# KiCad board ciaa_acc.kicad_pcb
title: COMPUTADORA INDUSTRIAL ABIERTA ARGENTINA. CIAA-ACC (HPC); date: 2019-03-29; rev: V1.1F; company: Instituto Nacional de Tecnología Industrial - Centro de Micro y Nanoelectrónica; note: Authors: See 'doc/CHANGES.txt' file.      License: See 'doc/LICENCIA_CIAA_ACC.txt' file.
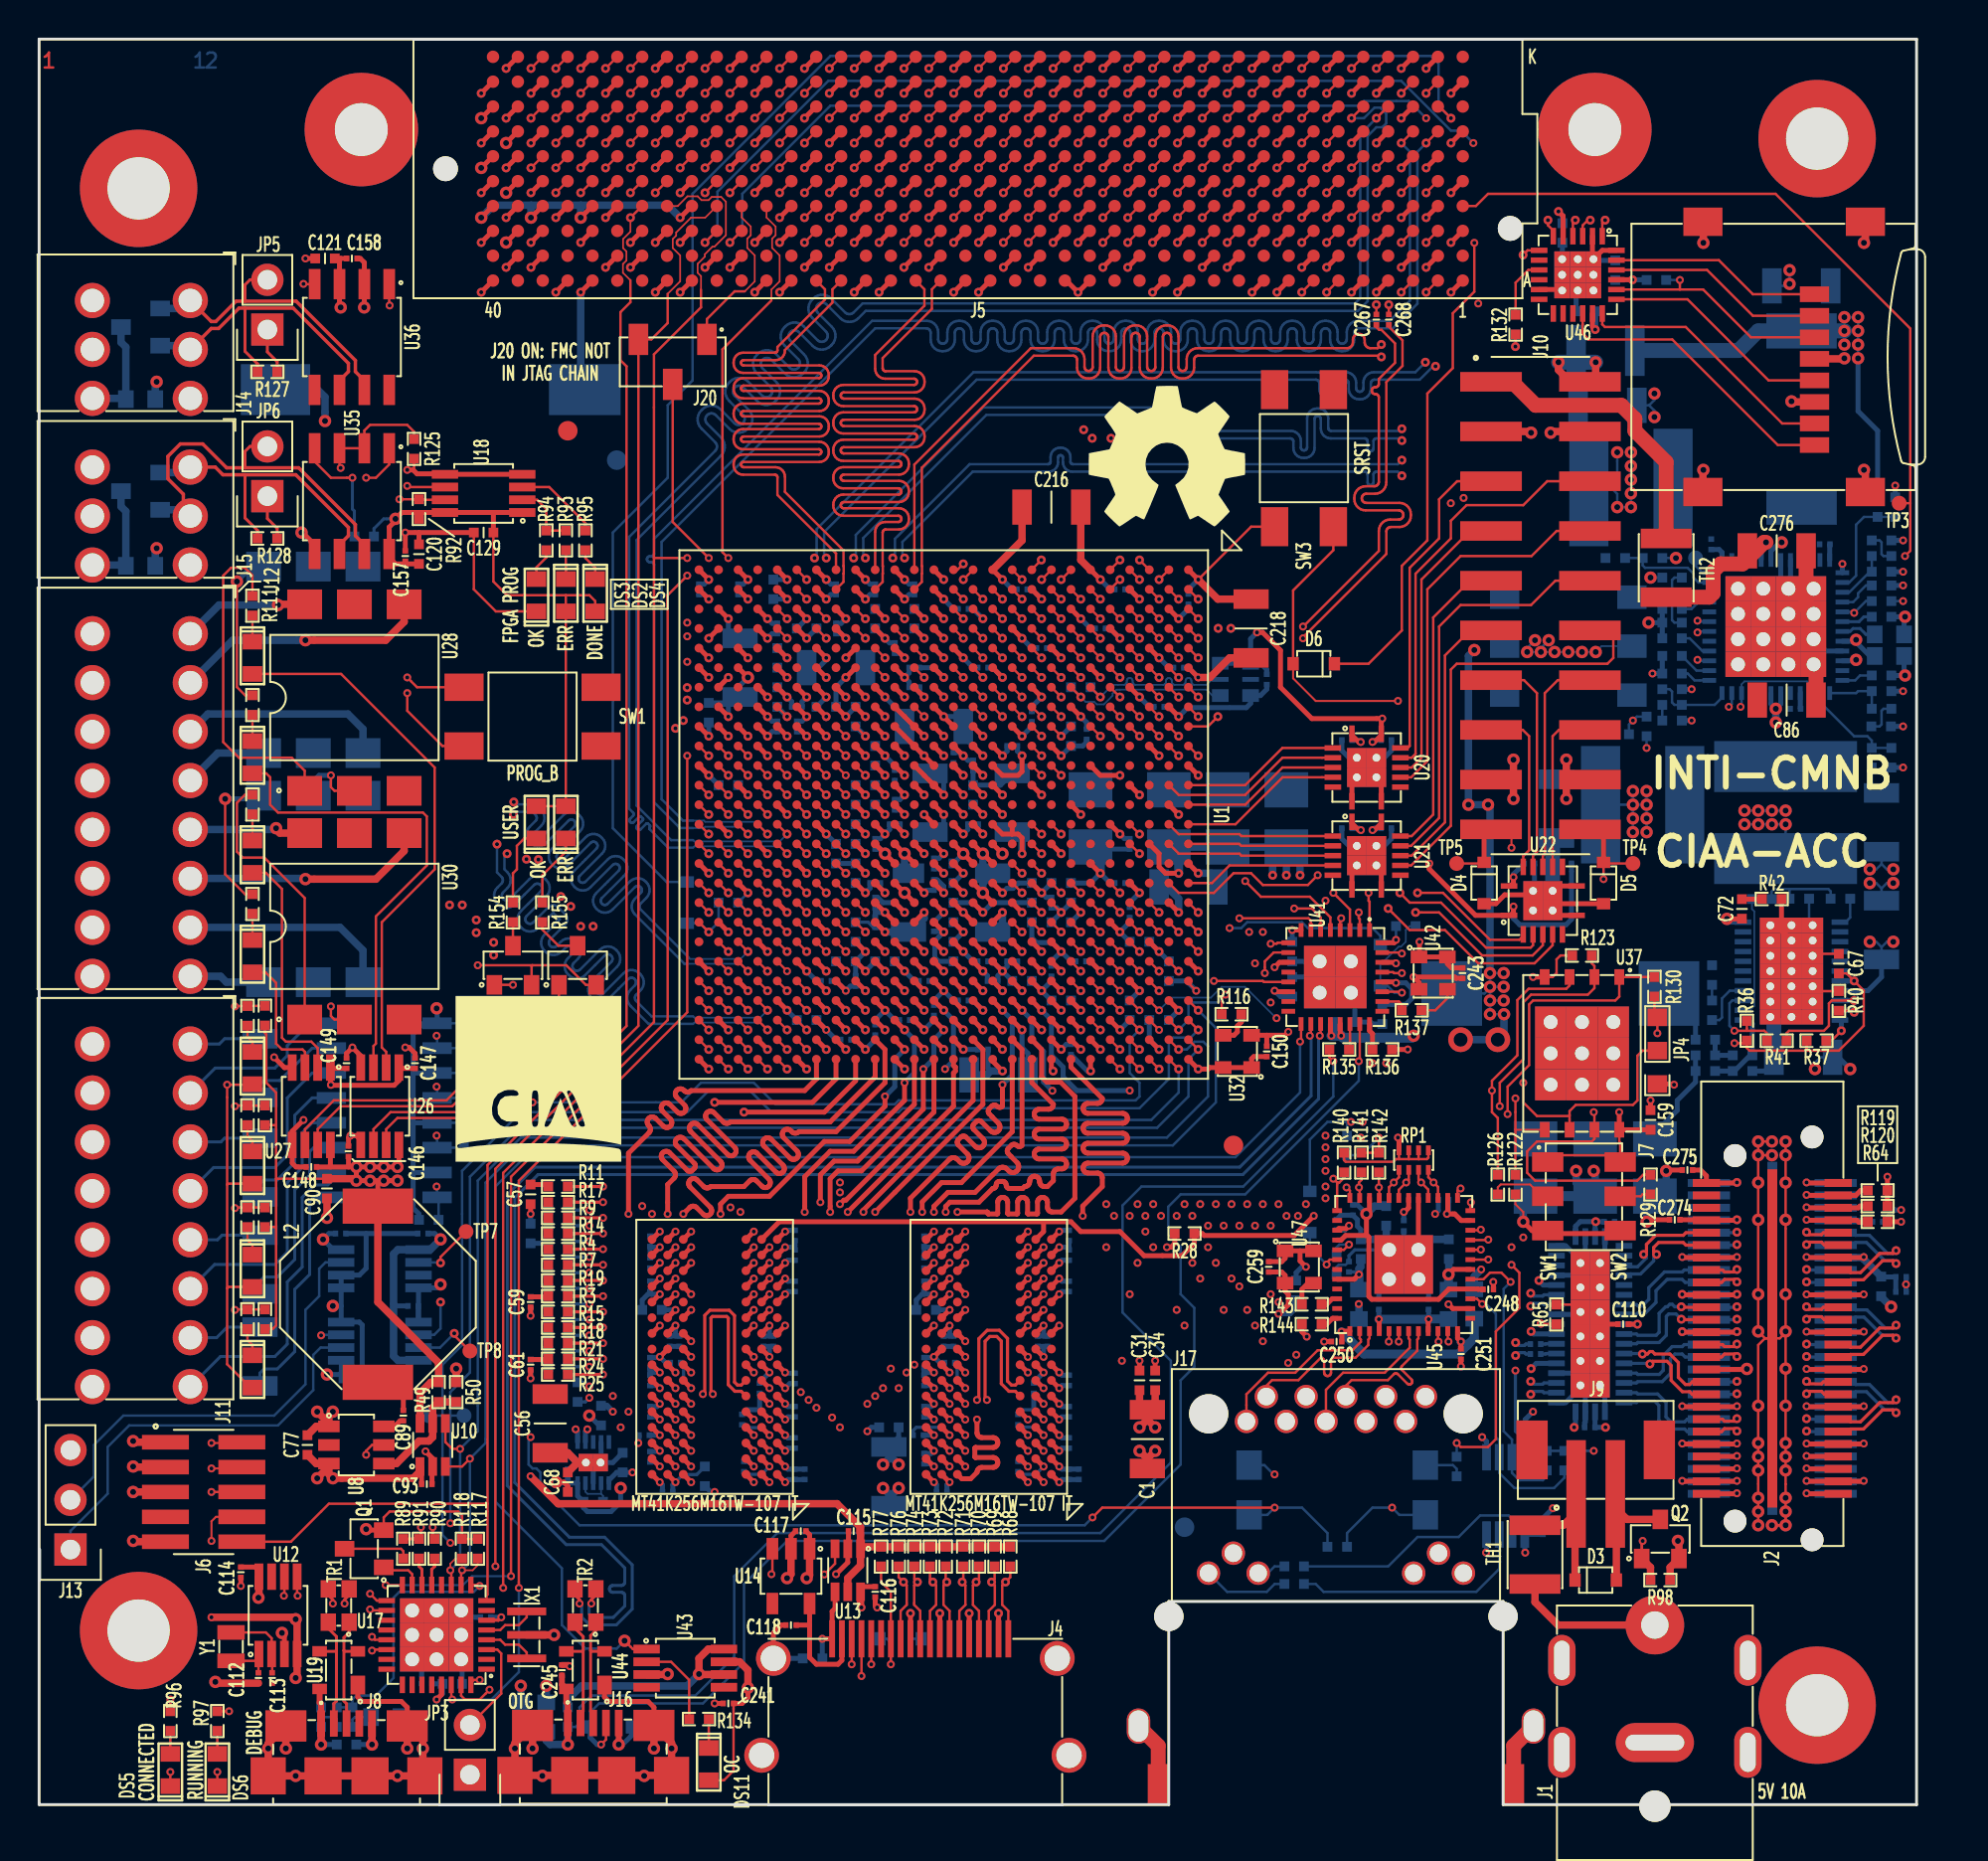
[diagram p0: board, top side]
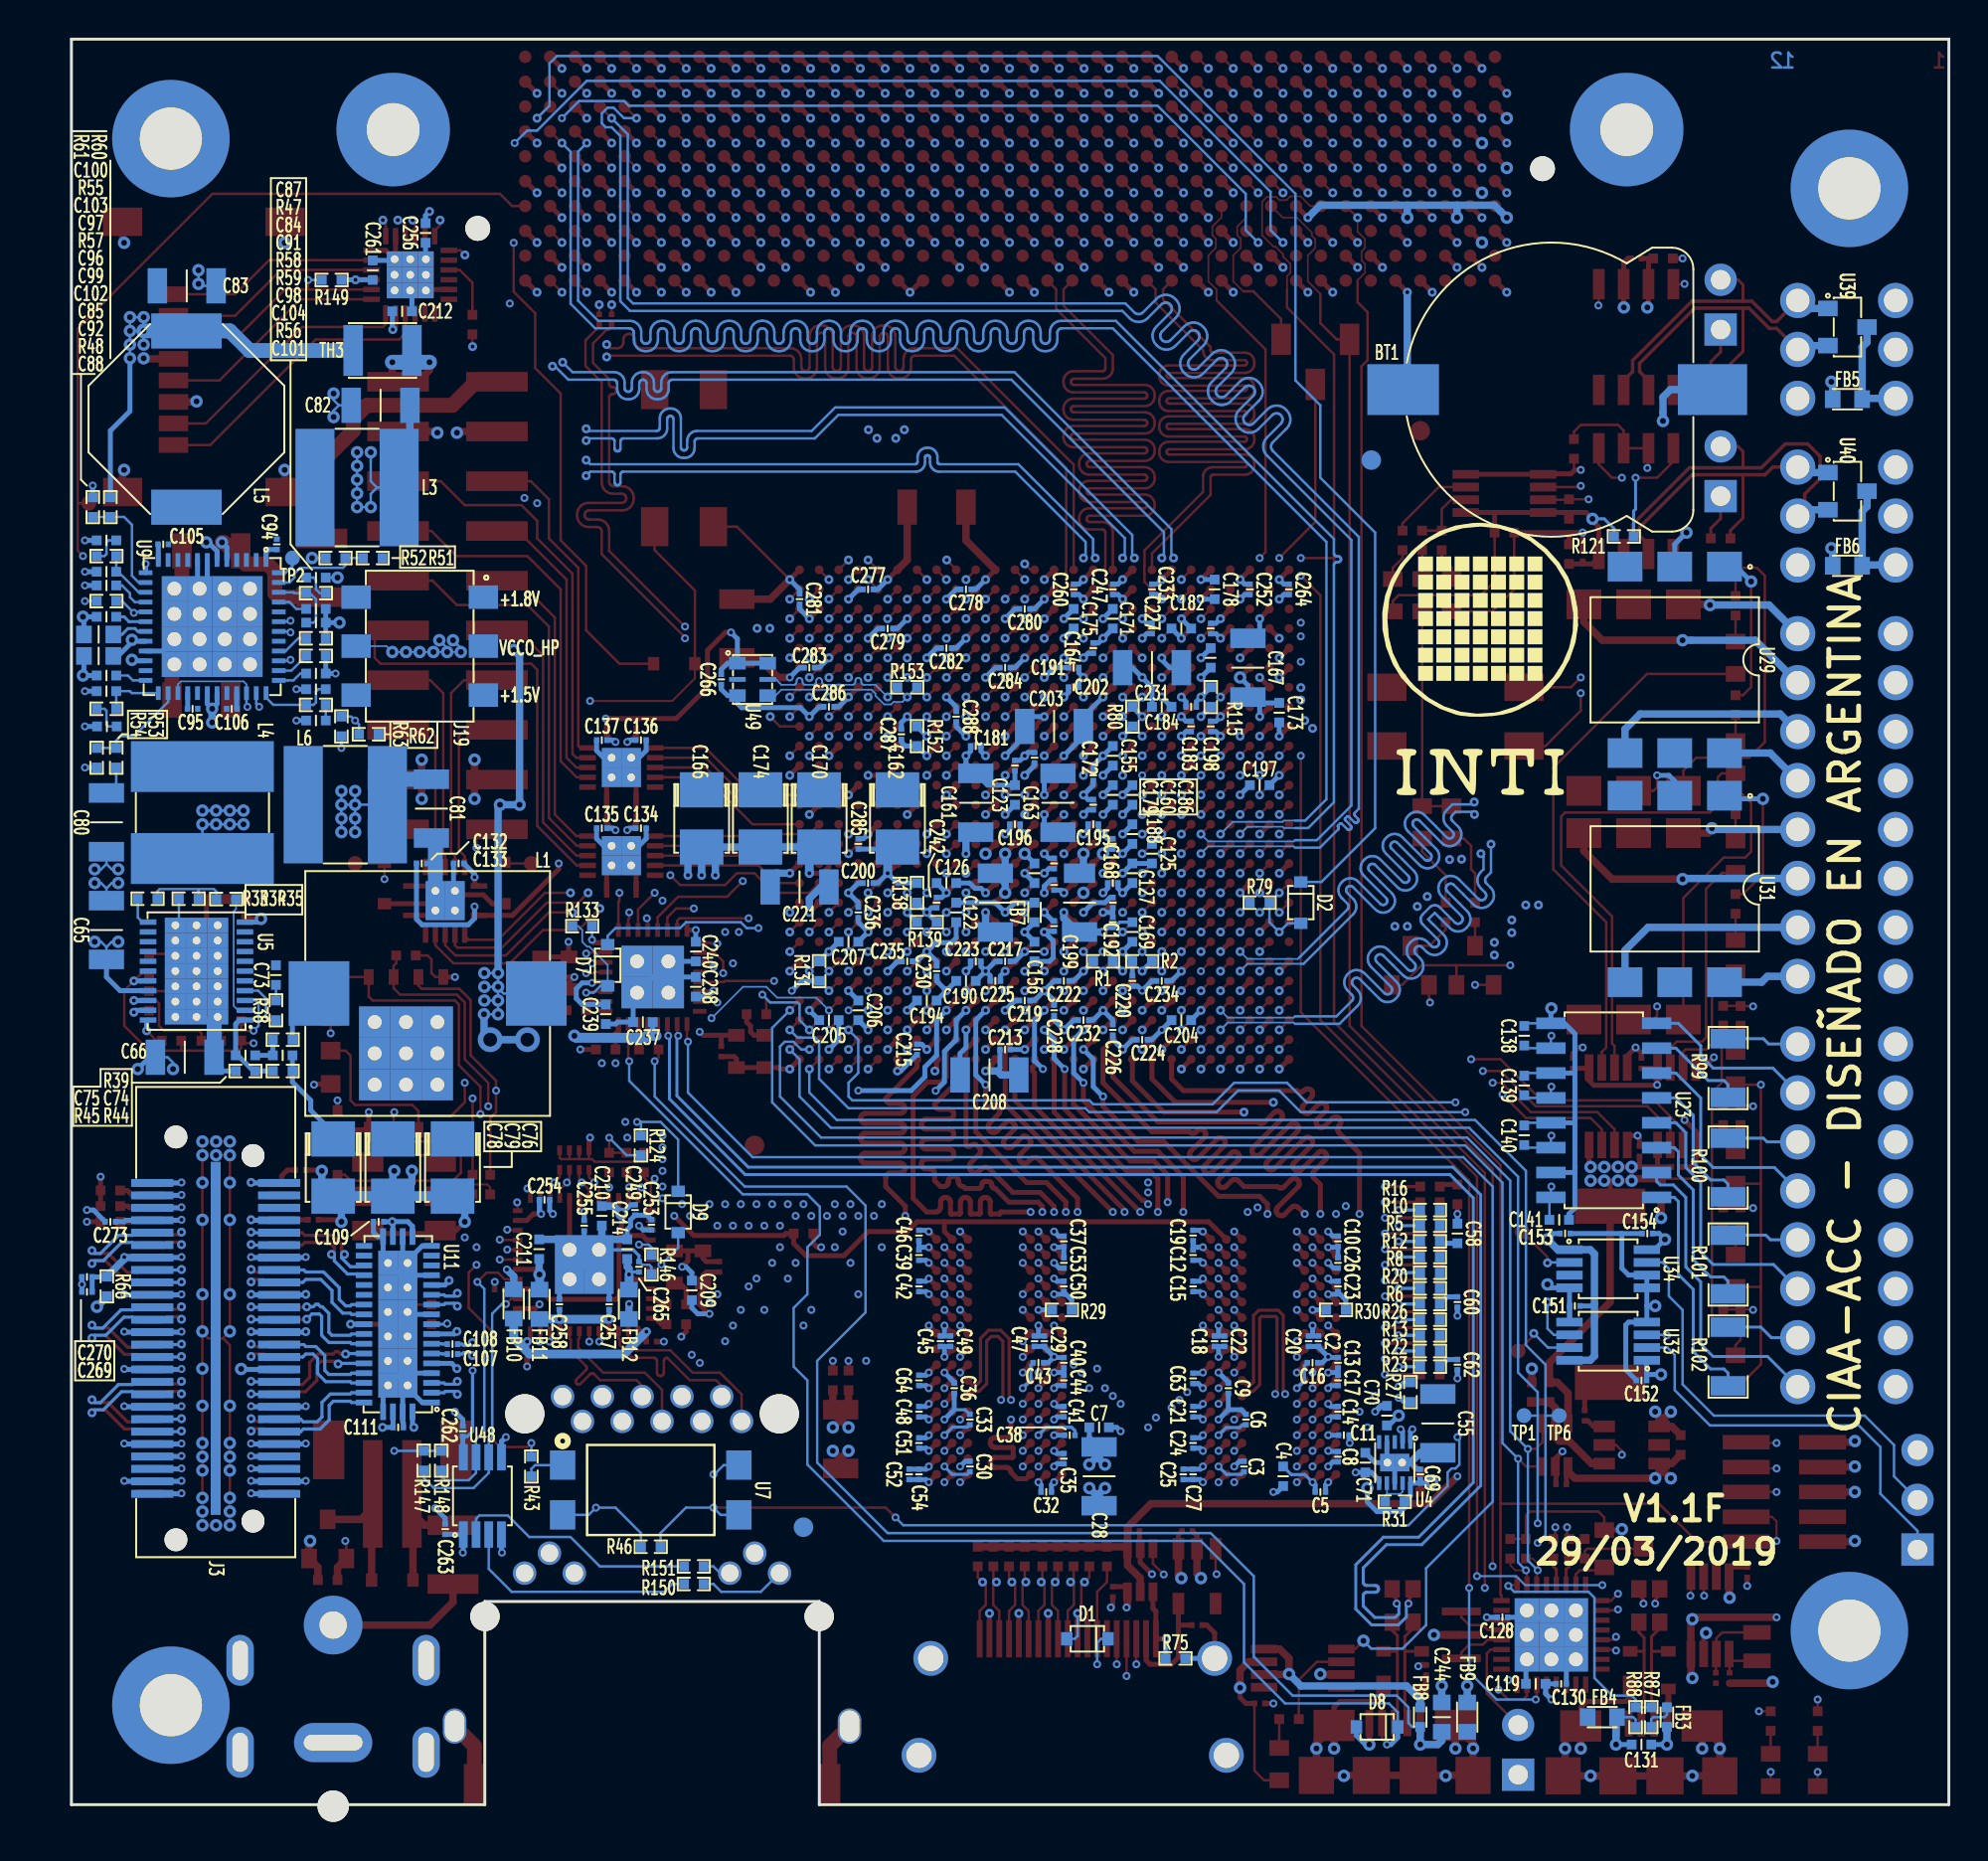
[diagram p1: board, bottom side, seen from below]

Outline 95.89 x 90.17 mm; copper layers: TOP_L1.Sig, L2.GND (plane), L3.Sig, L4.GND, L5.Sig, L6.GND (plane), L7.GND (plane), L8.Sig, L9.GND (plane), L10.Sig, L11.GND (plane), BOT_L12.Sig. Coordinates in mm from the lower left corner of the outline.
Outline path: 0,90.17 95.89,90.17 95.89,0 74.78,0 74.78,10.38 57.69,10.38 57.69,0 0,0 0,90.17

## Placement (name value [footprint] x y rotation side)
BT1  CR1220  [BC501SM]  20.3 72.27 180 bottom
C1  100uF  [c_1206]  56.6 18.67 90 top
C2  100nF  [c_0201]  32.2 23.67 90 bottom
C3  10nF  [c_0201]  36 17.27 90 bottom
C4  10uF  [c_0402]  34 16.77 90 bottom
C5  100nF  [c_0201]  32.1 15.97 0 bottom
C6  10nF  [c_0201]  35.9 19.67 90 bottom
C7  10uF  [c_0402]  43.4 19.27 0 bottom
C8  10nF  [c_0201]  31.2 17.77 270 bottom
C9  10nF  [c_0201]  36.8 21.27 270 bottom
C10  100nF  [c_0201]  31.2 28.77 270 bottom
C11  10nF  [c_0201]  30.9 18.87 180 bottom
C12  10nF  [c_0201]  38.6 28.07 270 bottom
C13  100nF  [c_0201]  31.2 22.57 270 bottom
C14  10nF  [c_0201]  31.2 20.07 90 bottom
C15  10nF  [c_0201]  38.6 26.47 270 bottom
C16  100nF  [c_0201]  32.5 22.57 0 bottom
C17  10nF  [c_0201]  31.2 21.67 270 bottom
C18  10nF  [c_0201]  37.5 23.67 270 bottom
C19  100nF  [c_0201]  38.6 29.07 270 bottom
C20  10nF  [c_0201]  32.7 23.67 270 bottom
C21  10nF  [c_0201]  38.6 20.07 270 bottom
C22  100nF  [c_0201]  37 23.67 90 bottom
C23  10nF  [c_0201]  31.2 26.47 270 bottom
C24  10nF  [c_0201]  38.6 18.47 90 bottom
C25  100nF  [c_0201]  39.1 16.87 270 bottom
C26  10nF  [c_0201]  31.2 27.67 270 bottom
C27  10nF  [c_0201]  38.6 16.87 90 bottom
C28  100uF  [c_1206]  43.4 16.77 90 bottom
C29  100nF  [c_0201]  46.2 23.67 90 bottom
C30  10nF  [c_0201]  50 17.27 90 bottom
C31  10uF  [c_0402]  56.2 21.67 270 top
C32  100nF  [c_0201]  46.1 15.97 0 bottom
C33  10nF  [c_0201]  50 19.67 90 bottom
C34  10uF  [c_0402]  57 21.67 270 top
C35  10nF  [c_0201]  45.2 17.67 270 bottom
C36  10nF  [c_0201]  50.8 21.27 270 bottom
C37  100nF  [c_0201]  45.2 28.77 270 bottom
C38  10nF  [c_0201]  44.9 18.87 180 bottom
C39  10nF  [c_0201]  52.6 28.07 270 bottom
C40  100nF  [c_0201]  45.2 22.57 270 bottom
C41  10nF  [c_0201]  45.2 20.07 90 bottom
C42  10nF  [c_0201]  52.6 26.47 270 bottom
C43  100nF  [c_0201]  46.5 22.57 0 bottom
C44  10nF  [c_0201]  45.2 21.67 270 bottom
C45  10nF  [c_0201]  51.5 23.67 270 bottom
C46  100nF  [c_0201]  52.6 29.07 270 bottom
C47  10nF  [c_0201]  46.7 23.67 270 bottom
C48  10nF  [c_0201]  52.6 20.07 270 bottom
C49  100nF  [c_0201]  51 23.67 90 bottom
C50  10nF  [c_0201]  45.2 26.47 270 bottom
C51  10nF  [c_0201]  52.6 18.47 90 bottom
C52  100nF  [c_0201]  53.1 16.87 270 bottom
C53  10nF  [c_0201]  45.2 27.67 270 bottom
C54  10nF  [c_0201]  52.6 16.87 90 bottom
C55  100uF  [c_1206]  26.1 19.47 90 bottom
C56  100uF  [c_1206]  26.1 19.47 90 top
C57  10uF  [c_0402]  25.1 31.17 90 top
C58  10uF  [c_0402]  25.1 29.17 270 bottom
C59  100nF  [c_0201]  25.1 25.67 90 top
C60  100nF  [c_0201]  25.1 25.67 90 bottom
C61  10nF  [c_0201]  25.1 22.47 270 top
C62  10nF  [c_0201]  25.1 22.47 270 bottom
C63  10nF  [c_0201]  38.6 21.77 90 bottom
C64  10nF  [c_0201]  52.6 21.67 90 bottom
C65  100uF  [c_1206]  94.1 44.67 270 bottom
C66  100uF  [c_1206]  90.1 38.17 0 bottom
C67  470nF  [c_0402]  91.92 42.95 270 top
C68  10uF  [c_0402]  27 16.47 90 top
C69  100nF  [c_0201]  27 16.87 90 bottom
C70  10uF  [c_0402]  28.7 19.87 270 bottom
C71  220nF  [c_0402]  29.8 17.47 270 bottom
C72  2.2nF  [c_0402]  86.97 45.75 90 top
C73  47nF  [c_0402]  85.44 42.37 270 bottom
C74  22nF  [c_0402]  85.1 38.27 180 bottom
C75  1nF  [c_0402]  87 38.27 0 bottom
C76  330uF  [tant_B_3528]  76.43 32.54 90 bottom
C77  10uF  [c_0402]  13.7 18.37 90 top
C78  330uF  [tant_B_3528]  82.52 32.54 90 bottom
C79  330uF  [tant_B_3528]  79.47 32.54 90 bottom
C80  100uF  [c_1206]  94.1 50.17 90 bottom
C81  100uF  [c_1206]  77.5 50.87 90 bottom
C82  100uF  [c_1206]  80.1 71.47 180 bottom
C83  100uF  [c_1206]  90 77.57 0 bottom
C84  68nF  [c_0402]  83.4 61.07 180 bottom
C85  68nF  [c_0402]  94.1 57.67 180 bottom
C86  100uF  [c_1206]  89.25 56.42 0 top
C87  2.2nF  [c_0402]  83.4 62.67 0 bottom
C88  1.2nF  [c_0402]  94.08 55.07 180 bottom
C89  100nF  [c_0201]  18.6 19.87 90 top
C90  10uF  [c_0402]  14.7 31.47 270 top
C91  24pF  [c_0402]  83.4 60.37 0 bottom
C92  11pF  [c_0402]  94.1 56.87 180 bottom
C93  100nF  [c_0201]  19.8 16.37 0 top
C94  100nF  [c_0201]  85.4 64.37 90 bottom
C95  100nF  [c_0201]  89.7 55.97 180 bottom
C96  10uF  [c_0402]  94.1 60.67 180 bottom
C97  68nF  [c_0402]  94.1 62.27 180 bottom
C98  68nF  [c_0402]  83.4 57.77 0 bottom
C99  4.7uF  [c_0603]  94.5 59.77 180 bottom
C100  1.5nF  [c_0402]  94.1 64.57 180 bottom
C101  1.2nF  [c_0402]  83.4 55.37 180 bottom
C102  3.3uF  [c_0603]  94.5 58.67 180 bottom
C103  16pF  [c_0402]  94.1 62.97 180 bottom
C104  13pF  [c_0402]  83.4 56.97 180 bottom
C105  100nF  [c_0201]  91.2 64.37 180 bottom
C106  100nF  [c_0201]  87.7 55.97 0 bottom
C107  100nF  [c_0201]  76.43 23.02 0 bottom
C108  100nF  [c_0201]  76.43 23.52 0 bottom
C109  100nF  [c_0201]  80.2 29.77 180 bottom
C110  100nF  [c_0201]  80.9 24.54 0 top
C111  100nF  [c_0201]  79.2 19.27 0 bottom
C112  18pF  [c_0201]  11.2 6.47 90 top
C113  18pF  [c_0201]  11.9 6.47 90 top
C114  100nF  [c_0201]  10.3 11.87 90 top
C115  100nF  [c_0201]  41.6 13.97 180 top
C116  100nF  [c_0201]  42.7 10.87 270 top
C117  100nF  [c_0201]  38.9 13.97 0 top
C118  100nF  [c_0201]  38.4 9.17 0 top
C119  10uF  [c_0402]  21.1 6.17 180 bottom
C120  10uF  [c_0402]  19.4 63.87 270 top
C121  10uF  [c_0402]  14.6 78.97 0 top
C122  10uF  [c_0402]  50.7 45.57 90 bottom
C123  10uF  [c_0402]  47.7 51.57 90 bottom
C124  10uF  [c_0402]  37.7 58.57 270 bottom
C125  10uF  [c_0402]  40.7 48.57 270 bottom
C126  10uF  [c_0402]  51.2 47.07 180 bottom
C127  10uF  [c_0402]  41.7 47.57 90 bottom
C128  100nF  [c_0201]  22.8 9.57 0 bottom
C129  100nF  [c_0402]  22.7 64.97 180 top
C130  100nF  [c_0201]  19.8 6.17 0 bottom
C131  100nF  [c_0402]  15.7 3.07 180 bottom
C132  100nF  [c_0201]  78 48.07 180 bottom
C133  100nF  [c_0201]  76.11 48.07 0 bottom
C134  100nF  [c_0201]  66.8 49.87 180 bottom
C135  100nF  [c_0201]  68.8 49.87 0 bottom
C136  100nF  [c_0201]  66.8 54.37 180 bottom
C137  100nF  [c_0201]  68.8 54.37 0 bottom
C138  1.5nF  [c_0402]  21.69 39.27 270 bottom
C139  1.5nF  [c_0402]  21.69 36.73 270 bottom
C140  1.5nF  [c_0402]  21.69 34.19 270 bottom
C141  1.5nF  [c_0402]  19.9 29.87 0 bottom
C146  100nF  [c_0201]  15.8 33.37 90 top
C147  100nF  [c_0201]  19.2 37.87 90 top
C148  100nF  [c_0201]  13.9 32.57 180 top
C149  100nF  [c_0201]  15.7 37.87 90 top
C150  10nF  [c_0201]  62.7 38.47 270 top
C151  100nF  [c_0201]  19.1 25.47 0 bottom
C152  100nF  [c_0201]  15.7 21.67 0 bottom
C153  100nF  [c_0201]  19.6 29.17 180 bottom
C154  100nF  [c_0201]  15.4 29.17 0 bottom
C155  10uF  [c_0402]  42.7 53.57 270 bottom
C156  10uF  [c_0402]  46.7 43.57 90 bottom
C157  100nF  [c_0201]  18.7 63.77 270 top
C158  100nF  [c_0201]  15.97 78.97 180 top
C159  100nF  [c_0402]  82.3 34.97 270 top
C160  10uF  [c_0402]  42.7 51.57 270 bottom
C161  100uF  [c_1206]  49.7 51.17 90 bottom
C162  330uF  [tant_B_3528]  53.7 50.37 90 bottom
C163  100uF  [c_1206]  45.5 51.17 90 bottom
C164  1uF  [c_0201]  43.7 59.07 90 bottom
C165  10uF  [c_0402]  46.7 47.57 90 bottom
C166  330uF  [tant_B_3528]  63.7 50.37 90 bottom
C167  100uF  [c_1206]  35.8 58.07 270 bottom
C168  1uF  [c_0201]  42.7 49.07 270 bottom
C169  10uF  [c_0402]  41.7 44.57 90 bottom
C170  330uF  [tant_B_3528]  57.7 50.37 90 bottom
C171  10uF  [c_0402]  42.7 60.57 270 bottom
C172  1uF  [c_0201]  43.7 52.57 270 bottom
C173  10uF  [c_0402]  34.2 55.77 90 bottom
C174  330uF  [tant_B_3528]  60.7 50.37 90 bottom
C175  10uF  [c_0402]  44.7 60.57 270 bottom
C176  1uF  [c_0201]  47.7 53.07 270 bottom
C177  1uF  [c_0201]  42.7 46.07 90 bottom
C178  10uF  [c_0402]  37.5 62.07 270 bottom
C179  1uF  [c_0201]  43.7 51.07 90 bottom
C180  100uF  [c_1206]  48.7 46.07 270 bottom
C181  1uF  [c_0201]  49.7 54.07 0 bottom
C182  10uF  [c_0402]  39.2 60.07 0 bottom
C183  1uF  [c_0201]  38.7 55.07 90 bottom
C184  10uF  [c_0402]  40.2 56.07 0 bottom
C185  1uF  [c_0201]  46.7 53.47 270 bottom
C186  10uF  [c_0402]  41.7 51.57 90 bottom
C187  1uF  [c_0201]  45.7 44.87 90 bottom
C188  10uF  [c_0402]  41.7 49.57 90 bottom
C189  1uF  [c_0201]  45.7 46.97 270 bottom
C190  10uF  [c_0402]  50.2 42.07 0 bottom
C191  1uF  [c_0201]  44.7 58.07 180 bottom
C192  1uF  [c_0201]  42.7 45.07 270 bottom
C193  1uF  [c_0201]  42.7 47.07 0 bottom
C194  10uF  [c_0402]  52.2 41.07 180 bottom
C195  1uF  [c_0201]  43.7 50.07 0 bottom
C196  1uF  [c_0201]  47.7 50.07 0 bottom
C197  10uF  [c_0402]  35.2 52.07 180 bottom
C198  1uF  [c_0201]  37.7 55.07 90 bottom
C199  100uF  [c_1206#2]  44.4 46.07 270 bottom
C200  1uF  [c_0201]  55.2 47.07 0 bottom
C201  1uF  [c_0201]  45.7 48.07 270 bottom
C202  1uF  [c_0201]  44.7 57.07 180 bottom
C203  100uF  [c_1206]  45.7 55.07 0 bottom
C204  10uF  [c_0402]  39.2 40.07 180 bottom
C205  10uF  [c_0402]  57.2 40.07 0 bottom
C206  10uF  [c_0402]  55.7 40.57 270 bottom
C207  10uF  [c_0402]  56.2 44.07 0 bottom
C208  100uF  [c_1206]  49 37.27 180 bottom
C209  10uF  [c_0402]  64.2 26.27 270 bottom
C210  10uF  [c_0402]  68.8 30.07 270 bottom
C211  10uF  [c_0402]  72 28.37 90 bottom
C212  10uF  [c_0402]  79 76.27 0 bottom
C213  1uF  [c_0201]  48.2 38.57 0 bottom
C214  10uF  [c_0402]  67.5 28.37 90 bottom
C215  1uF  [c_0201]  52.7 38.57 90 bottom
C216  100uF  [c_1206]  51.7 66.27 0 top
C217  1uF  [c_0201]  48.2 43.07 180 bottom
C218  100uF  [c_1206]  61.9 60.07 270 top
C219  1uF  [c_0201]  47.2 41.07 0 bottom
C220  100nF  [c_0201]  41.7 42.07 270 bottom
C221  100uF  [c_1206]  58.7 46.87 0 bottom
C222  100nF  [c_0201]  45.2 42.07 180 bottom
C223  10nF  [c_0201]  49.7 43.07 180 bottom
C224  100nF  [c_0201]  41.2 39.07 0 bottom
C225  10nF  [c_0201]  48.7 42.07 0 bottom
C226  100nF  [c_0201]  42.7 39.57 270 bottom
C227  100nF  [c_0201]  40.7 60.07 270 bottom
C228  100nF  [c_0201]  45.7 40.57 270 bottom
C229  100nF  [c_0201]  38.7 56.07 180 bottom
C230  100nF  [c_0201]  51.7 42.57 270 bottom
C231  100uF  [c_1206]  40.7 58.07 0 bottom
C232  100nF  [c_0201]  44.2 40.07 0 bottom
C233  100nF  [c_0201]  40.7 62.07 270 bottom
C234  100nF  [c_0201]  40.2 42.07 0 bottom
C235  1uF  [c_0201]  53.2 43.07 0 bottom
C236  1uF  [c_0201]  55.7 45.57 90 bottom
C237  2.2uF  [c_0402]  66.7 39.97 0 bottom
C238  100nF  [c_0402]  64 41.77 90 bottom
C239  100nF  [c_0402]  68.6 40.37 270 bottom
C240  100nF  [c_0402]  64 43.57 270 bottom
C241  1uF  [c_0201]  35.2 5.17 180 top
C242  10nF  [c_0201]  51.7 46.07 90 bottom
C243  10nF  [c_0201]  72.7 42.47 90 top
C244  4.7uF  [c_0603]  25.9 4.47 90 bottom
C245  100nF  [c_0201]  26.7 6.87 90 top
C246  100nF  [c_0201]  37.7 60.07 270 bottom
C247  100nF  [c_0201]  42.7 62.07 270 bottom
C248  100nF  [c_0201]  74.01 26.32 0 top
C249  100nF  [c_0201]  67.1 30.37 270 bottom
C250  100nF  [c_0201]  66.27 23.65 180 top
C251  100nF  [c_0201]  72.62 23.02 270 top
C252  100nF  [c_0201]  35.7 62.07 270 bottom
C253  100nF  [c_0201]  66.27 29.62 90 bottom
C254  100nF  [c_0201]  71.73 30.89 180 bottom
C255  100nF  [c_0201]  69.7 29.57 270 bottom
C256  100nF  [c_0402]  77.8 80.27 90 bottom
C257  100nF  [c_0201]  68.42 25.56 90 bottom
C258  100nF  [c_0201]  70.97 25.56 90 bottom
C259  10nF  [c_0201]  62.8 27.47 270 top
C260  100nF  [c_0201]  44.7 62.07 270 bottom
C261  100nF  [c_0402]  80.5 78.37 270 bottom
C262  100nF  [c_0201]  75.9 19.07 90 bottom
C263  100nF  [c_0201]  76.8 14.07 90 bottom
C264  100nF  [c_0201]  33.7 62.07 270 bottom
C265  100nF  [c_0201]  66.9 27.47 90 bottom
C266  100nF  [c_0201]  62.7 57.47 90 bottom
C267  100nF  [c_0201]  68.3 75.85 270 top
C268  100nF  [c_0201]  68.93 75.85 270 top
C269  10nF  [c_0201]  95.09 26.19 0 bottom
C270  10nF  [c_0201]  95.09 26.95 0 bottom
C273  10nF  [c_0201]  93.9 29.77 0 bottom
C274  10nF  [c_0201]  83.54 29.87 180 top
C275  10nF  [c_0201]  84.18 32.41 180 top
C276  100uF  [c_1206]  88.75 64.04 0 top
C277  100nF  [c_0201]  55.2 62.07 180 bottom
C278  100nF  [c_0201]  50.2 62.07 0 bottom
C279  100nF  [c_0201]  54.2 60.07 0 bottom
C280  100nF  [c_0201]  47.2 61.07 0 bottom
C281  100nF  [c_0201]  58.7 61.57 270 bottom
C282  100nF  [c_0201]  51.2 59.07 0 bottom
C283  100nF  [c_0201]  58.2 58.07 0 bottom
C284  100nF  [c_0201]  48.2 58.07 0 bottom
C285  100nF  [c_0201]  55.7 49.07 90 bottom
C286  100nF  [c_0201]  57.2 56.07 180 bottom
C287  100nF  [c_0201]  53.5 54.67 90 bottom
C288  100nF  [c_0201]  50.7 55.57 270 bottom
D1  PESD3V3U1UA  [SOD-323]  44 8.47 180 bottom
D2  1N4148  [SOD-323]  33.1 46.07 90 bottom
D3  1N4148  [SOD-323]  79.5 11.47 180 top
D4  PESD3V3U1UA  [SOD-323]  73.8 47.07 90 top
D5  PESD3V3U1UA  [SOD-323]  79.9 47.07 90 top
D6  1N4148  [SOD-323]  65.1 58.27 0 top
D7  1N4148  [SOD-323]  68.5 42.87 90 bottom
D8  SD05T1G  [SOD-323]  29.2 3.97 180 bottom
D9  1N4148  [SOD-323]  64.9 30.27 90 bottom
DS2  ERR  [LED-0603]  26.9 61.77 90 top
DS3  OK  [LED-0603]  25.4 61.77 270 top
DS4  DONE  [LED-0603]  28.4 61.77 90 top
DS5  CONNECTED  [LED-0603]  6.7 1.77 270 top
DS6  RUNNING  [LED-0603]  9.1 1.77 270 top
DS7  LED  [LED-0603]  10.89 37.62 90 top
DS8  LED  [LED-0603]  10.89 32.54 90 top
DS9  LED  [LED-0603]  10.89 27.27 90 top
DS10  LED  [LED-0603]  10.89 22.13 90 top
DS11  OVERCURRENT  [LED-0603]  34.2 2.07 90 top
DS12  OK  [LED-0603]  25.4 50.17 270 top
DS13  ERR  [LED-0603]  26.9 50.17 270 top
DS14  LED  [LED-0603]  10.89 58.58 90 top
DS15  LED  [LED-0603]  10.89 53.5 90 top
DS16  LED  [LED-0603]  10.89 48.42 90 top
DS17  LED  [LED-0603]  10.89 43.34 90 top
F1  FIDUCIAL  [Fiducial_1mm]  27 70.17 0 top
F2  FIDUCIAL  [Fiducial_1mm]  61 33.67 0 top
F3  FIDUCIAL  [Fiducial_1mm]  58.5 14.17 0 bottom
F4  FIDUCIAL  [Fiducial_1mm]  29.5 68.67 0 bottom
FB3  BLM15PX221SN1D  [l_0402]  14.4 4.47 270 bottom
FB4  MMZ1608B601CTAH0  [l_0603]  17.7 4.47 0 bottom
FB5  MMZ1608B601CTAH0  [l_0603]  5.18 71.78 180 bottom
FB6  MMZ1608B601CTAH0  [l_0603]  5.18 63.27 180 bottom
FB7  BLM15PX221SN1D  [l_0402]  46.7 45.57 270 bottom
FB8  BLM15PX221SN1D  [l_0402]  27 4.47 270 bottom
FB9  MMZ1608B601CTAH0  [l_0603]  24.6 4.47 270 bottom
FB10  MPZ1608S601ATA00  [l_0603]  73.3 25.57 270 bottom
FB11  MPZ1608S601ATA00  [l_0603]  71.98 25.56 270 bottom
FB12  MPZ1608S601ATA00  [l_0603]  67.41 25.56 90 bottom
G1  LOGO_CIAA  [LOGO-CIAA]  25.5 37.07 0 top
G2  -  [OSHWA]  57.6 68.87 0 top
G3  -  [LOGO_INTI]  23.98 58.5 180 bottom
H1  PCB_HOLE  [PCIE104_HOLE]  5.08 82.55 0 top
H2  PCB_HOLE  [PCIE104_HOLE]  90.81 85.09 0 top
H3  PCB_HOLE  [PCIE104_HOLE]  5.08 8.89 0 top
H4  PCB_HOLE  [PCIE104_HOLE]  90.81 5.08 0 top
J1  5V 10A  [PJ-082BH]  82.52 -2.83 90 top
J2  OneBank Top  [ASP-129637-13]  88.52 23.81 90 top
J3  OneBank Bottom  [ASP-129646-22]  88.52 23.81 90 bottom
J4  HDMI  [10029449-111RLF]  44.75 8.47 0 top
J5  FMC_HPC  [ASP-134486-01]  47.94 83.55 180 top
J6  JTAG DIRECT  [PIN_ARRAY_5x2_1.27_SMD]  8.4 15.97 90 top
J7  -  [CAS-D20TA]  78.9 31.07 270 top
J8  USB Micro B  [ZX62-AB-5PA]  15.7 1.47 0 top
J9  FAN  [B2B-PH-SM4-TB]  79.5 15.87 0 top
J10  DNP  [Pin_Header_Straight_2x10_SMD]  76.68 61.24 90 top
J11  DIGITAL IN  [1770940]  2.72 30.1 270 top
J12  DIGITAL OUT  [1770940]  2.72 51.06 270 top
J13  UART0  [Pin_Header_Straight_1x03]  1.6 13.03 180 top
J14  CAN  [1770898]  2.72 74.32 270 top
J15  RS485  [1770898]  2.72 65.81 270 top
J16  USB Micro AB  [ZX62-AB-5PA]  28.3 1.5 0 top
J17  -  [1840461-1]  66.23 19.57 0 top
J18  microSD  [MicroSD_Hinged]  89.13 73.94 90 top
J19  -  [452403012014]  78.1 59.17 270 bottom
J20  -  [CJS-1200TA]  32.36 73.69 180 top
JP3  JUMPER  [Pin_Header_Straight_1x02]  22 1.53 180 top
JP4  PLL  [JUMPER3_0603]  82.65 39.36 270 top
JP5  JUMPER  [Pin_Header_Straight_1x02]  11.66 75.34 180 top
JP6  JUMPER  [Pin_Header_Straight_1x02]  11.66 66.83 180 top
L1  220nH  [SRP1238A]  77.7 41.43 180 bottom
L2  3uH  [SRU1048]  17.3 26.07 90 top
L3  4.7uH  [SRN6045]  81.3 67.27 180 bottom
L4  6.2uH  [SRR6038]  89.2 50.67 270 bottom
L5  3uH  [SRU1048]  90.02 70.77 90 bottom
L6  4.7uH  [SRN6045]  81.9 51.07 180 bottom
Q1  DMP3099L  [SOT-23]  16.6 13.07 90 top
Q2  BSS806N  [SOT-23]  82.8 13.57 0 top
Q3  BSS806N  [SOT-23]  24.2 42.87 0 top
Q4  BSS806N  [SOT-23]  27.5 42.87 0 top
R1  80.6  [r_0402]  43.2 43.07 0 bottom
R2  80.6  [r_0402]  41.2 43.07 0 bottom
R3  40.2  [r_0402]  26.5 25.97 0 top
R4  40.2  [r_0402]  26.5 28.37 0 top
R5  40.2  [r_0402]  26.5 28.77 0 bottom
R6  40.2  [r_0402]  26.5 25.57 0 bottom
R7  40.2  [r_0402]  26.5 27.57 0 top
R8  40.2  [r_0402]  26.5 27.17 0 bottom
R9  40.2  [r_0402]  26.5 29.97 0 top
R10  40.2  [r_0402]  26.5 29.57 0 bottom
R11  40.2  [r_0402]  26.5 31.57 0 top
R12  40.2  [r_0402]  26.5 27.97 0 bottom
R13  40.2  [r_0402]  26.5 23.97 0 bottom
R14  40.2  [r_0402]  26.5 29.17 0 top
R15  40.2  [r_0402]  26.5 25.17 0 top
R16  40.2  [r_0402]  26.5 30.37 0 bottom
R17  40.2  [r_0402]  26.5 30.77 0 top
R18  40.2  [r_0402]  26.5 24.37 0 top
R19  40.2  [r_0402]  26.5 26.77 0 top
R20  40.2  [r_0402]  26.5 26.37 0 bottom
R21  40.2  [r_0402]  26.5 23.57 0 top
R22  40.2  [r_0402]  26.5 23.17 0 bottom
R23  40.2  [r_0402]  26.5 22.37 0 bottom
R24  40.2  [r_0402]  26.5 22.77 0 top
R25  40.2  [r_0402]  26.5 21.97 0 top
R26  40.2  [r_0402]  26.5 24.77 0 bottom
R27  80.6  [r_0402]  27.5 21.07 270 bottom
R28  4.7K  [r_0402]  58.5 29.17 180 top
R29  240  [r_0402]  45.3 25.27 180 bottom
R30  240  [r_0402]  31.3 25.27 180 bottom
R31  10K  [r_0402]  28.3 15.47 180 bottom
R33  200K  [r_0402]  92 46.27 180 bottom
R34  100K  [r_0402]  89.9 46.27 0 bottom
R35  1K  [r_0402]  87.98 46.26 180 bottom
R36  100K  [r_0402]  87.22 39.53 270 top
R37  309K  [r_0402]  90.78 39.02 180 top
R38  2  [r_0402]  85.44 40.57 90 bottom
R39  10.7K  [r_0402]  85.1 39.07 0 bottom
R40  174K  [r_0402]  91.92 41.05 90 top
R41  39.2K  [r_0402]  88.75 39.02 0 top
R42  3  [r_0402]  88.49 46.26 0 top
R43  100  [r_0402]  72.4 17.27 270 bottom
R44  6.49K  [r_0402]  85.1 37.47 180 bottom
R45  10K  [r_0402]  87 37.47 180 bottom
R46  10K  [r_0402]  66.3 13.17 0 bottom
R47  6.81K  [r_0402]  83.4 61.88 0 bottom
R48  8.87K  [r_0402]  94.1 55.97 180 bottom
R49  100K  [r_0402]  20.4 21.07 270 top
R50  10K  [r_0402]  21.3 21.07 270 top
R51  20K  [r_0402]  80.5 63.67 0 bottom
R52  16K  [r_0402]  82.4 63.67 0 bottom
R53  6.65K  [r_0402]  93.6 53.47 90 bottom
R54  13.3K  [r_0402]  94.6 53.47 270 bottom
R55  11.3K  [r_0402]  94.1 63.77 180 bottom